# Altium PCB board_layout.pcbdoc (part 3 of 4)
Units mm, origin at the board's own origin, x right, y up, seen from the top; angles counter-clockwise.
Board outline 92.13 x 89.13 mm, 4 copper layers (Top Layer, Signal Layer 1, Signal Layer 2, Bottom Layer), stack 1.561 mm thick; 362 components, 209 nets, 1215 pads, 340 vias.
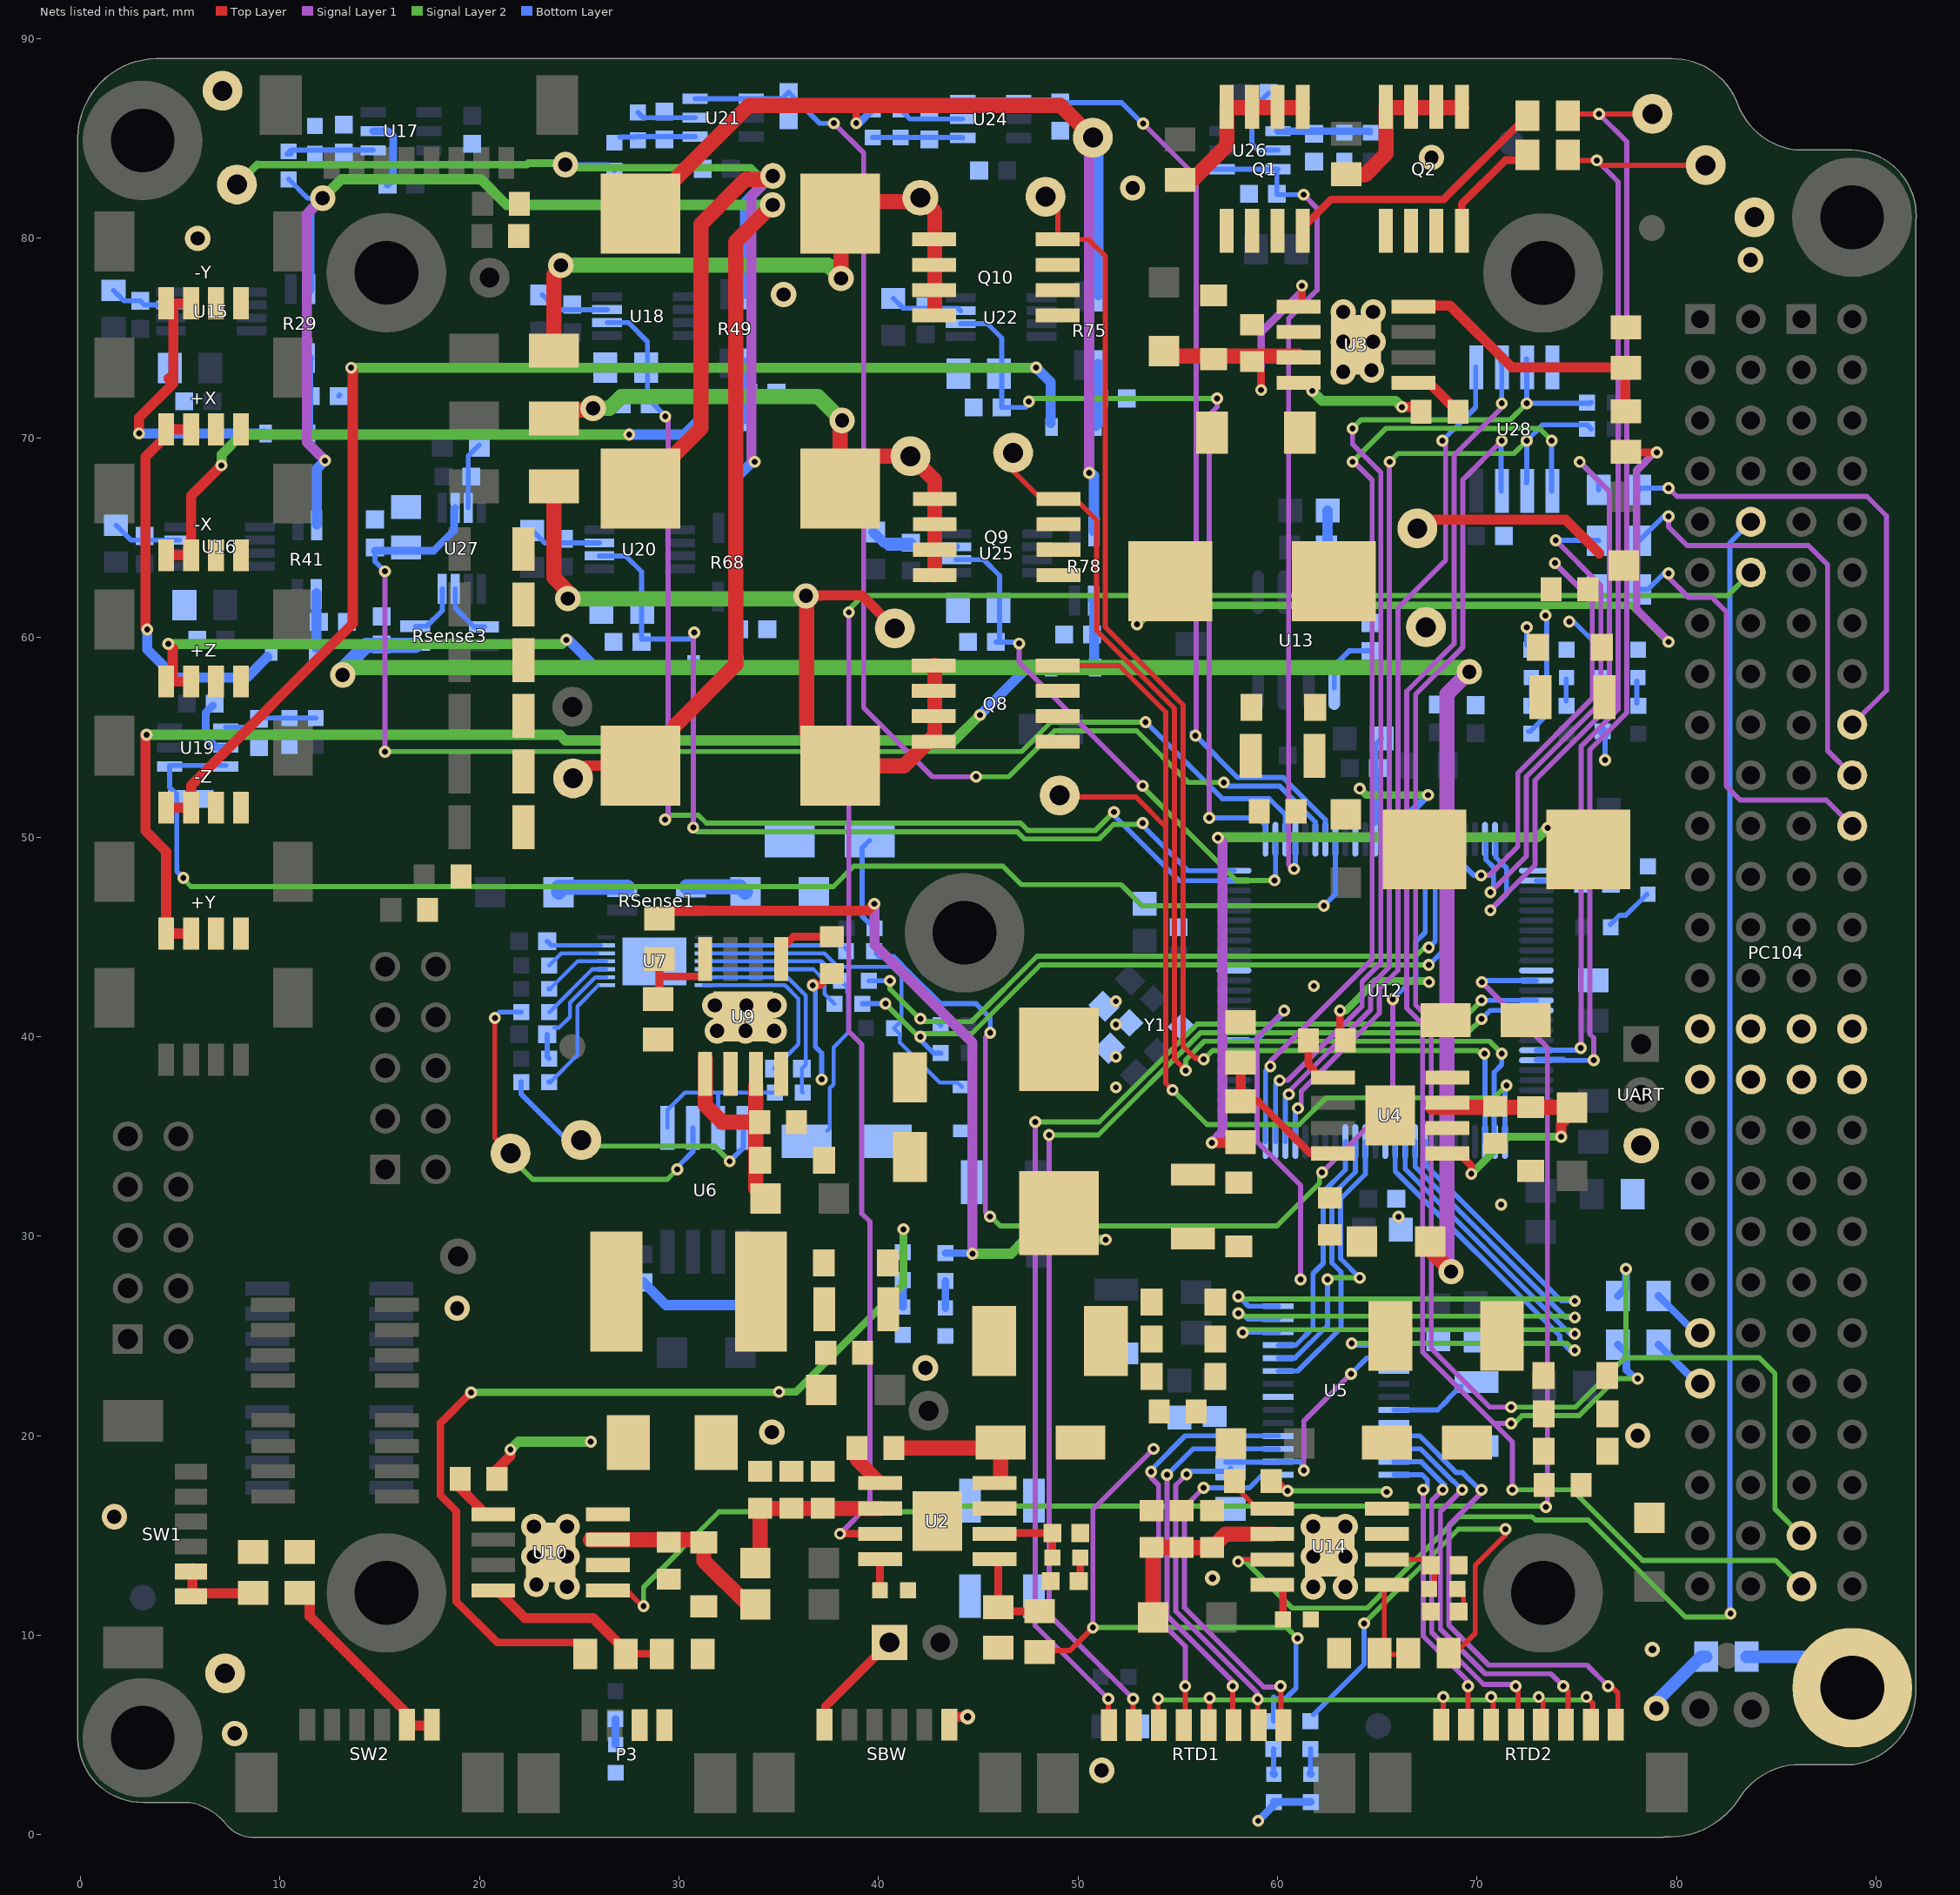
[diagram p5: the nets of this part, all layers, seen from the top]

## Via types
v1: diameter 0.6, hole 0.3, Top Layer to Bottom Layer, tented both sides, 251 vias
v2: diameter 1.27, hole 0.711, Top Layer to Bottom Layer, tented both sides, 53 vias
v3: diameter 1.27, hole 0.711, Top Layer to Bottom Layer, 24 vias
v4: diameter 0.762, hole 0.381, Top Layer to Bottom Layer, tented both sides, 9 vias
v5: diameter 0.6, hole 0.3, Top Layer to Bottom Layer, 2 vias
v6: diameter 1.15, hole 0.6, Top Layer to Bottom Layer, tented both sides, 1 vias

## Nets (pads, with @x,y where several pads share a name; then routed paths per layer and width w, separated by ;. In a path a pad name is that pad's centre, name@x,y a point inside that pad or via, vN(x,y) a via of type N, cw(c..) or ccw(c..) an arc to the next point about the centre after c; other vN are vias at no path point) (continued)
ADC2_V: C91.2 U12.6 U21.3 U21.4 | length 65.4
  Signal Layer 1 w0.254: v1(37.766,85.766) 39.256,84.276 39.256,56.476 42.706,53.026 v1(44.896,53.026)
  Signal Layer 2 w0.254: v1(44.896,53.026) 46.527,53.026 48.825,55.324 52.935,55.324 55.523,52.736 v1(57.306,52.736)
  Bottom Layer w0.254: U21.3@30.816,86.997 U21.4@33.616,86.997 35.167,86.997 C91.2@35.496,87.326 37.056,85.766 v1(37.766,85.766) ; v1(57.306,52.736) 57.482,52.56 60.095,52.56 61.896,50.759 U12.6@61.896,49.891
ADC3_I: C85.1 R67.2 U12.99 U18.2 | length 57.5
  Signal Layer 1 w0.254: v1(29.306,50.876) 29.456,51.026 v1@29.456,70.926
  Signal Layer 2 w0.254: v1(29.306,50.876) 29.528,51.098 30.974,51.098 31.374,50.698 47.125,50.698 47.486,50.337 50.876,50.337 v1(51.796,51.256)
  Bottom Layer w0.254: U18.2@26.405,75.779 27.471,75.779 28.426,74.824 28.426,71.996 29.316,71.106 v1(29.316,71.076) ; v1(51.796,51.256) 51.796,51.096 55.076,47.816 U12.99@57.821,47.816
ADC3_V: C99.2 U12.7 U24.3 U24.4 | length 50.7
  Signal Layer 1 w0.254: v1(53.266,85.756) 55.926,83.096 55.926,55.128 v1(55.886,55.088)
  Bottom Layer w0.254: U24.3@44.227,86.93 U24.4@47.027,86.93 48.982,86.93 C99.2@49.116,86.796 52.186,86.796 v1@53.226,85.756 ; v1@55.732,55.242 v1(55.886,55.088) 57.982,52.992 60.274,52.992 62.396,50.87 U12.7@62.396,49.891
ADC4_I: C89.1 R72.2 U12.100 U20.2 | length 47.4
  Signal Layer 1 w0.254: v1(30.716,50.476) v1@30.716,60.246
  Signal Layer 2 w0.254: v1(30.716,50.476) 30.926,50.266 46.946,50.266 47.307,49.905 51.055,49.905 51.416,50.266 ; 51.417,50.266 51.784,50.634 53.164,50.634 v1(53.236,50.706)
  Bottom Layer w0.254: U20.2@26.015,64.089 27.333,64.089 28.126,63.296 28.126,59.916 30.496,59.916 v1@30.836,60.256 ; v1(30.716,50.476) v1@30.85,50.61 ; v1(53.236,50.706) 53.236,50.586 55.506,48.316 U12.100@57.821,48.316
  other v1: 30.766,60.246
ADC5_I: C94.1 R77.2 U12.1 U22.2 | length 41.7
  Signal Layer 1 w0.254: v1(56.576,50.966) 56.576,71.156 56.97,71.55 v1(56.97,71.976)
  Signal Layer 2 w0.254: v1@47.646,71.716 47.646,71.936 47.686,71.976 v1(56.97,71.976)
  Bottom Layer w0.254: U22.2@44.116,75.726 45.456,75.726 46.176,75.006 C94.1@46.176,71.526 47.376,71.526 v1@47.526,71.676 ; v1(56.576,50.966) 59.036,50.966 59.396,50.606 U12.1@59.396,49.891
  other v1: 47.536,71.826
ADC6_I: C100.1 R79.2 U12.2 U25.2 | length 27.3
  Signal Layer 1 w0.254: v1(47.046,59.696) 47.046,58.76 v1(53.236,52.57)
  Signal Layer 2 w0.254: v1@53.213,52.547 57.93,47.83 v1(59.85,47.83)
  Bottom Layer w0.254: U25.2@43.896,63.896 45.276,63.896 46.066,63.106 C100.1@46.066,59.906 ; C100.1@45.886,59.776 46.966,59.776 v1(47.046,59.696) ; v1(59.85,47.83) 59.896,47.876 U12.2@59.896,49.891
ADC7_I: C129.1 R36.2 U12.3 U27.2 | length 64.7
  Signal Layer 1 w0.254: v1(15.266,54.276) v1(15.266,63.316)
  Signal Layer 2 w0.254: v1@15.266,54.251 15.302,54.287 47.177,54.287 48.646,55.756 v1(53.383,55.756)
  Bottom Layer w0.254: C129.1@14.766,64.345 14.766,63.816 v1(15.266,63.316) ; v1(53.383,55.756) 53.406,55.756 57.236,51.926 59.586,51.926 60.396,51.116 U12.3@60.396,49.891
  Bottom Layer w0.381: C129.1@14.766,64.345 17.706,64.345 18.734,65.373 18.734,66.434 U27.2@18.791,66.491
ADC_BUS: C119.2 U12.4 U26.3 U26.4 | length 41.9
  Signal Layer 1 w0.254: v1(60.83,48.4) 60.76,48.4 60.55,48.61 60.55,75.975 61.975,77.4 61.975,81.517 v1(61.306,82.186)
  Bottom Layer w0.254: U26.4@56.806,83.466 U26.4@57.216,83.466 U26.3@60.016,83.466 59.966,83.416 C119.2@59.966,82.226 60.006,82.186 v1(61.306,82.186) ; U12.4@60.896,49.891 60.896,48.616 v1@60.916,48.596
ADC_TOTAL_V: C87.2 U12.8 U19.3 U19.4 | length 70.8
  Signal Layer 2 w0.254: v1@5.216,47.856 5.548,47.524 37.745,47.524 38.76,48.539 46.23,48.539 47.155,47.614 52.156,47.614 53.212,46.558 59.577,46.558 ; 59.578,46.558 60.093,46.558 ; 60.094,46.558 v1(62.32,46.558)
  Bottom Layer w0.254: v1(5.166,47.956) 4.836,48.286 4.836,52.136 4.485,52.487 4.485,53.592 U19.3@7.285,53.592 ; v1(62.32,46.558) 62.896,47.134 U12.8@62.896,49.891
ADD_I2C1_SCL_BUF: PC104.H1-43 R88.1 | length 2.9
  Bottom Layer w0.381: R88.1@79.092,24.568 81.044,22.616 PC104.H1-43@81.176,22.616
ADD_I2C1_SDA_BUF: PC104.H1-41 R87.1 | length 2.9
  Bottom Layer w0.381: R87.1@79.092,27.008 80.944,25.156 PC104.H1-41@81.176,25.156
ADD_PC104_GPIO0: PC104.H2-18 R89.1 | length 24.2
  Signal Layer 1 w0.254: v1(79.593,67.489) 80.013,67.07 89.53,67.07 90.51,66.09 90.51,57.35 PC104.H2-18@88.796,55.636
  Bottom Layer w0.254: R89.1@78.123,67.4 78.213,67.489 v1(79.593,67.489)
ADD_PC104_GPIO1: PC104.H2-20 R90.1 | length 22.3
  Signal Layer 1 w0.254: v1(79.593,66.07) 79.593,65.537 80.52,64.61 86.6,64.61 87.56,63.65 87.56,54.332 PC104.H2-20@88.796,53.096
  Bottom Layer w0.254: R90.1@78.123,64.85 79.344,66.07 v1(79.593,66.07)
ADD_PC104_GPIO2: PC104.H2-22 R91.1 | length 21.5
  Signal Layer 1 w0.254: v1(79.593,63.21) 79.593,63.007 80.58,62.02 81.75,62.02 82.48,61.29 82.48,52.557 83.177,51.86 87.492,51.86 PC104.H2-22@88.796,50.556
  Bottom Layer w0.254: R91.1@78.123,62.41 78.56,62.41 79.36,63.21 v1(79.593,63.21)
AGND: C34.2 C35.2 C36.2 C51.2 C59.2 C61.2 C62.1 C63.2 C64.2 C66.2 C71.1 C72.1 C73.2 C74.1 C75.2 C76.1 C83.1 C84.1 C85.2 C86.1 C87.1 C88.1 C89.2 C90.1 C91.1 C93.1 C94.2 C97.1 C98.1 C99.1 C100.2 C101.1 C102.2 C103.2 C104.2 C105.2 C106.2 C107.2 C108.1 C109.1 C110.1 C111.1 C112.1 C113.1 C114.1 C115.1 C116.1 C119.1 C120.1 C121.1 C128.1 C129.2 C130.2 FB4.1 pad.4@7.126,87.396 R27.1 R30.1 R36.1 R48.1 R67.1 R71.1 R72.1 R73.1 R76.1 R77.1 R79.1 R82.1 R86.1 U5.6 U5.10 U5.21 U12.10 U12.12 U12.15 U12.83 U13.4 U15.3 U16.3 U17.2 U18.3 U19.2 U20.3 U21.2 U22.3 U24.2 U25.3 U26.2 U27.3 | length 76
  Signal Layer 1 w0.254: v1(60.331,41.31) 58.98,39.959 58.98,34.72 61.15,32.55 v1@61.15,27.92
  Signal Layer 2 w0.381: v1(64.12,52.43) 64.444,52.106 v1(67.543,52.106)
  Bottom Layer w0.254: C105.2@1.666,77.391 2.191,76.866 C111.1@3.006,76.866 3.213,76.659 U15.3@4.545,76.659 ; C106.2@1.796,65.621 2.538,64.879 U16.3@4.957,64.879 ; C72.1@12.946,72.096 C72.1@12.996,72.146 ; U27.3@19.441,66.491 19.441,69.096 C130.2@19.991,69.646 ; C102.2@22.656,65.361 23.278,64.739 U20.3@26.015,64.739 ; C103.2@23.156,77.161 23.888,76.429 U18.3@26.405,76.429 ; R76.1@27.946,86.305 28.203,86.047 U21.2@30.816,86.047 ; C104.2@40.746,76.991 41.241,76.496 43.996,76.496 U22.3@44.116,76.376 ; R82.1@41.102,86.453 41.575,85.98 U24.2@44.227,85.98 ; C93.1@52.446,71.976 C93.1@52.506,71.976 ; U12.83@57.821,39.816 58.94,39.816 60.331,41.207 v1(60.331,41.31) ; C121.1@59.556,87.276 58.716,86.436 58.716,84.736 59.036,84.416 U26.2@60.016,84.416 ; C59.2@64.896,53.336 64.896,54.626 C61.2@65.216,54.946
  Bottom Layer w0.381: C115.1@6.646,56.596 6.283,56.233 6.283,55.03 6.826,54.486 U19.2@7.286,54.486 ; U17.2@14.676,85.366 15.436,85.366 15.679,85.123 15.679,82.979 C114.1@15.396,82.696 ; C107.2@40.27,64.753 40.477,64.546 U25.3@43.896,64.546 ; U12.12@64.896,50.756 C59.2@64.896,53.336 ; U12.15@66.396,50.756 66.396,50.959 v1(67.543,52.106)
  Bottom Layer w0.508: C107.2@39.745,65.278 40.27,64.753 C110.1@41.625,64.753 ; C62.1@62.451,64.506 C62.1@62.506,64.451 ; C64.2@62.506,66.356 C62.1@62.506,64.451 ; U13.4@62.841,62.266 62.841,64.116 C62.1@62.506,64.451
  other v1: 61.15,27.836
BAT_GPIO1: RTD1.1 U12.39 | length 59.4
  Top Layer w0.254: RTD1.1@51.516,5.485 v1(51.516,6.825)
  Signal Layer 1 w0.254: v1(47.86,35.726) 47.86,10.481 v1(51.516,6.825)
  Signal Layer 2 w0.254: v1(47.86,35.726) 51.065,35.726 55.97,40.632 69.042,40.632 70.186,41.776 v1@70.186,41.816
  Signal Layer 2 w0.381: v1@70.186,41.816 v1(70.226,41.816)
  Bottom Layer w0.254: v1(70.226,41.816) U12.39@72.971,41.816
BAT_GPIO2: RTD1.2 U12.40 | length 58.3
  Top Layer w0.254: RTD1.2@52.766,5.485 v1(52.766,6.825)
  Signal Layer 1 w0.254: v1(48.548,35.073) 48.548,11.044 v1(52.766,6.825)
  Signal Layer 2 w0.254: v1(48.548,35.073) 51.022,35.073 56.149,40.2 69.54,40.2 v1(70.226,40.886)
  Bottom Layer w0.254: v1(70.226,40.886) 70.656,41.316 U12.40@72.971,41.316
DGND: 3V3_MCU.2 C32.2 C33.2 C57.2 C58.2 C60.2 C65.2 C67.2 C68.2 C69.2 C70.2 C122.2 C123.2 C124.2 C125.2 C133.2 FB3.1 pad.4@83.9,81.058 PC104.H1-29 PC104.H1-30 PC104.H1-31 PC104.H1-32 PC104.H2-29 PC104.H2-30 PC104.H2-31 PC104.H2-32 SBW.6 SYSTEM_FAULT.2 SYSTEM_ON.2 U5.2 U5.3 U12.26 U12.63 U12.90 U28.4 UART.3 V1.2 V3.2 Y1.2 Y1.4 | length 1.3
  Top Layer w0.508: SBW.6@43.6,5.45 43.6,5.92 v4(44.47,5.92)
  other v1: 66.056,30.976 71.197,31.58 51.9,37.46 51.9,38.998 51.9,40.606 51.9,41.776 61.82,42.54
  other v4: 78.786,9.3 56.74,12.87
En_3V3_OBDH: U12.36
En_5V_Radio_0: PC104.H1-12 U2.3 | length 95.5
  Top Layer w0.381: v1(38.076,15.09) U2.3@40.076,15.09
  Signal Layer 1 w0.254: v1(38.076,15.09) 39.57,16.583 39.57,30.731 39.16,31.141 39.16,39.616 38.518,40.258 v1(38.518,61.264)
  Signal Layer 2 w0.254: v1(38.518,61.264) 38.388,61.264 39.231,62.107 82.567,62.107 PC104.H1-12@83.716,63.256
En_6V_Radio_1: PC104.H1-10 U14.3 | length 86.6
  Top Layer w0.254: v1(58.026,13.696) 58.136,13.806 U14.3@59.736,13.806
  Signal Layer 2 w0.254: v1(58.026,13.696) 58.4,13.696 60.726,11.37 64.499,11.37 69.075,15.946 72.754,15.946 72.92,15.78 75.57,15.78 80.43,10.92 82.52,10.92 v1(82.7,11.1)
  Bottom Layer w0.254: v1@82.661,11.1 82.661,64.741 PC104.H1-10@83.716,65.796
EN_PAYLOAD: U10.5 U12.37 | length 79.9
  Top Layer w0.254: U10.5@26.976,12.256 27.376,12.256 28.166,11.466 v1(28.226,11.466)
  Signal Layer 1 w0.254: v1(70.236,42.736) 73.523,39.449 73.523,16.563 73.45,16.49 v1(73.45,16.44)
  Signal Layer 2 w0.254: v1(28.226,11.466) 28.226,12.416 32.006,16.196 42.429,16.196 42.705,16.472 73.418,16.472 v1(73.45,16.44)
  Bottom Layer w0.254: v1@70.236,42.816 U12.37@72.971,42.816
ESD: MEC4.0 R_ESD.2 | length 5.9
  Bottom Layer w0.635: R_ESD.2@83.506,8.93 87.249,8.93 MEC4.0@88.8,7.379
HEATER1_PWM: R25.2 TP2.1 U12.45 | length 57.9
  Top Layer w0.254: R25.2@74.416,85.896 74.756,86.236 v1(76.106,86.236) TP2.1@78.786,86.236
  Signal Layer 1 w0.254: v1(75.84,38.82) 75.84,39.94 75.65,40.13 75.65,54.377 77.499,56.226 77.499,84.843 v1(76.106,86.236)
  Bottom Layer w0.254: 74.332,38.861 73.016,38.861 U12.45@72.971,38.816 72.976,38.811 75.987,38.811 75.978,38.82 v1(75.84,38.82)
HEATER2_PWM: R26.2 TP1.1 U12.44 | length 55.1
  Top Layer w0.254: R26.2@74.552,84.186 74.832,83.906 v1(75.996,83.906) 76.236,83.666 TP1.1@81.456,83.666
  Signal Layer 1 w0.254: v1(75.189,39.433) 75.218,39.463 75.218,54.556 77.067,56.405 77.067,82.835 76.736,83.166 v1(75.996,83.906)
  Bottom Layer w0.254: U12.44@72.971,39.316 75.072,39.316 v1(75.189,39.433)
I2C0_SCL: R84.2 R92.1 U12.19 | length 38.6
  Signal Layer 2 w0.254: v5(40.35,41.65) 42,40 v1(42.1,40) 42.25,40.15 44.67,40.15 48.12,43.6 v1(67.575,43.6)
  Bottom Layer w0.254: R92.1@39.198,41.65 v5(40.35,41.65) ; v1(42.1,40) 42.1,39.841 42.766,39.175 R84.2@43.121,39.175 ; v1(67.575,43.6) 67.592,43.6 68.396,44.404 U12.19@68.396,49.891
I2C0_SDA: R42.2 R83.2 U12.18 | length 37.4
  Signal Layer 2 w0.254: v5(40.576,42.8) 40.576,42.38 42.206,40.75 44.659,40.75 47.941,44.032 66.932,44.032 67.363,44.463 v1(67.575,44.463)
  Bottom Layer w0.254: R42.2@39.523,42.8 v5(40.576,42.8) ; v1(42.096,40.9) 42.246,40.75 42.943,40.75 R83.2@43.121,40.572 ; v1(67.575,44.463) 67.896,44.784 U12.18@67.896,49.891
I2C1_EN: U12.72 U28.1 | length 42.7
  Signal Layer 1 w0.254: v1(61.02,36.41) 61.182,36.572 61.182,37.261 65.1,41.179 65.1,42.393 66.038,43.331 66.038,61.484 68.42,63.866 68.42,69.7 v1(68.26,69.86)
  Bottom Layer w0.254: U12.72@60.896,34.741 60.896,36.286 v1(61.02,36.41) ; v1(68.26,69.86) 69.927,71.527 U28.1@69.927,73.54
I2C1_READY: U12.75 U28.5 | length 50.2
  Signal Layer 1 w0.254: v1(59.64,38.51) 59.64,38.765 64.742,43.867 64.742,67.888 v1@63.76,68.87
  Signal Layer 2 w0.254: v1(63.76,68.806) 65.436,70.482 68.518,70.482 68.522,70.478 70.974,70.478 70.978,70.482 73.115,70.482 v1(73.737,69.86)
  Bottom Layer w0.254: U12.75@59.396,34.741 59.396,38.266 v1(59.64,38.51) ; U28.5@73.737,67.335 v1(73.737,69.86)
I2C1_SCL: R66.2 U12.74 U28.3 | length 53.6
  Signal Layer 1 w0.254: v1(60.1,37.81) 60.51,37.81 64.236,41.536 64.236,42.751 65.174,43.688 65.174,68.272 63.76,69.686 v1(63.76,70.476) v1@63.69,70.476
  Signal Layer 2 w0.254: v1@63.69,70.476 v1(63.76,70.476) 64.198,70.914 71.668,70.914 v1(72.484,71.73)
  Bottom Layer w0.254: U12.74@59.896,34.741 59.896,37.606 v1(60.1,37.81) ; U28.3@72.467,73.955 72.467,73.54 72.484,73.523 v1(72.484,71.73) 75.677,71.73 R66.2@75.721,71.774
I2C1_SCL_BUF: PC104.H2-51 R88.2 U28.2 | length 87.4
  Signal Layer 1 w0.254: v1(71.236,71.73) 71.236,71.516 68.852,69.132 68.852,59.692 66.469,57.31 66.469,41.431 67.268,40.632 67.268,24.191 70.849,20.61 ; v1(71.702,20.62) 70.859,20.62 70.849,20.61 ; v1(71.77,17.296) 71.77,19.689 70.849,20.61
  Signal Layer 2 w0.254: v1@71.64,20.62 v1(71.702,20.62) 71.866,20.62 72.254,21.008 75.112,21.008 76.974,22.87 v1@77.911,22.87 ; v1(71.77,17.296) 74.754,17.296 78.29,13.76 84.952,13.76 PC104.H2-51@86.256,12.456
  Bottom Layer w0.254: U28.2@71.197,73.955 71.197,73.75 71.236,73.711 U28.2@71.236,73.54 v1(71.236,71.73)
  Bottom Layer w0.381: R88.2@77.06,24.568 77.48,24.148 77.48,23.301 v1@77.911,22.87
  other v1: 78.046,22.87
I2C1_SDA: R65.2 U12.73 U28.6 | length 49.3
  Signal Layer 1 w0.254: v1(60.56,37.11) 60.56,37.249 64.668,41.357 64.668,42.572 65.606,43.51 v1@65.606,68.784
  Signal Layer 2 w0.254: v1(65.622,68.806) 66.036,69.22 71.844,69.22 v1(72.484,69.86)
  Bottom Layer w0.254: U12.73@60.396,34.741 60.396,36.946 v1(60.56,37.11) ; U28.6@72.467,67.75 72.484,67.767 v1(72.484,69.86) 73.284,70.66 75.511,70.66 R65.2@75.721,70.45
I2C1_SDA_BUF: PC104.H2-49 R87.2 U28.7 | length 84.6
  Signal Layer 1 w0.254: v1(71.236,69.86) 69.29,67.914 69.29,59.52 66.921,57.151 66.921,41.59 67.7,40.811 67.7,24.37 70.63,21.44 v1(71.702,21.44)
  Signal Layer 2 w0.254: v1(71.702,21.44) 74.933,21.44 77.403,23.91 ; v1(77.46,28.358) 77.46,23.967 77.403,23.91 ; PC104.H2-49@86.256,14.996 84.92,16.332 84.92,23.13 84.14,23.91 77.403,23.91
  Bottom Layer w0.254: U28.7@71.197,67.335 71.197,69.821 v1(71.236,69.86)
  Bottom Layer w0.381: R87.2@77.06,27.008 77.46,27.408 v1(77.46,28.358)
JTAG_VCC: CN1.1 SBW.1 | length 5.5
  Top Layer w0.45: SBW.1@37.35,5.45 37.35,6.443 CN1.1@40.55,9.643
MPPT_PWM_1: Q8.2 TP6.1 U12.51 | length 52.4
  Top Layer w0.254: Q8.2@48.975,58.594 52.067,58.594 54.4,56.261 54.4,50.51 52.9,52.01 TP6.1@49.16,52.01 ; 54.4,50.44 54.4,37.662 v1(54.736,37.326)
  Signal Layer 2 w0.254: v1(54.736,37.326) 56.462,35.6 61.09,35.6 62.423,36.933 70.853,36.933 v1(71.476,37.556)
  Bottom Layer w0.254: U12.51@71.396,34.741 71.396,37.476 v1(71.476,37.556)
MPPT_PWM_2: Q9.2 TP7.1 U12.52 | length 57.1
  Top Layer w0.254: TP7.1@46.746,69.256 46.746,68.342 48.146,66.942 Q9.2@49.026,66.942 ; Q9.2@49.055,67.095 49.868,66.942 50.93,65.88 50.93,60.341 54.832,56.44 54.832,38.87 v1(55.396,38.306)
  Signal Layer 2 w0.254: v1(55.396,38.306) 55.396,38.836 56.328,39.768 60.072,39.768 60.073,39.767 60.589,39.767 60.59,39.768 70.624,39.768 71.236,39.156 v1(71.236,39.146)
  Bottom Layer w0.254: U12.52@70.896,34.741 70.854,34.783 70.854,38.215 71.236,38.597 v1(71.236,39.146)
MPPT_PWM_3: Q10.2 TP9.1 U12.53 | length 66.7
  Top Layer w0.254: TP9.1@48.376,82.086 48.986,81.476 Q10.2@48.986,79.946 50.526,79.946 51.362,79.11 51.362,60.52 55.264,56.618 55.264,39.518 55.876,38.906 55.916,38.946 56.002,38.86 v1(56.3,38.86)
  Signal Layer 2 w0.254: v1(56.3,38.86) 56.74,39.3 70.012,39.3 v1@70.18,39.132 ; v1@70.366,38.946 v1@70.18,39.132 ; v1(70.366,39.146) 70.353,39.132 v1@70.18,39.132
  Bottom Layer w0.254: v1@70.366,39.186 70.396,39.156 U12.53@70.396,34.741
NC_KILL_SWITCH1: R35.1 SW1.5 SW1.6 | length 4.3
  Top Layer w0.508: SW1.5@5.63,13.36 5.63,12.11 8.642,12.11 R35.1@8.67,12.138
NC_KILL_SWITCH2: R85.1 SW2.5 SW2.6 | length 10.3
  Top Layer w0.508: R85.1@10.99,12.138 11.152,12.138 11.498,11.792 11.498,10.963 16.466,5.995 16.466,5.475 SW2.6@17.716,5.475
Net3V3_ANT_1: 3V3_ANT.1 R23.2 | length 1.3
  Bottom Layer w0.254: R23.2@76.286,56.695 76.286,57.764 3V3_ANT.1@76.449,57.928
Net3V3_EPS_BEACON_1: 3V3_EPS_BEACON.1 R53.1 | length 1.4
  Bottom Layer w0.381: 3V3_EPS_BEACON.1@43.354,26.4 R53.1@43.354,27.753
Net3V3_MCU_1: 3V3_MCU.1 R61.1 | length 1.1
  Bottom Layer w0.254: R61.1@74.463,56.825 3V3_MCU.1@74.463,57.928
Net3V3_OBDH_1: 3V3_OBDH.1 R18.2 | length 1.4
  Bottom Layer w0.254: R18.2@72.716,56.575 3V3_OBDH.1@72.716,57.998
Net3V3ANT_1: 3V3ANT.1 C29.1 C30.1 C31.1 L4.2 R21.2 R22.2 R23.1 | length 44.7
  Top Layer w0.508: v1(56.704,34.68) 57.934,34.68 R22.2@58.13,34.876 ; 3V3ANT.1@67.536,65.736 67.71,65.91 74.428,65.91 76.119,64.219
  Signal Layer 1 w0.508: v1(56.704,34.68) 57.236,35.212 57.236,49.736 v1(57.006,49.966)
  Signal Layer 2 w0.508: v1@56.976,49.986 73.046,49.986 v1(73.526,50.466)
  Bottom Layer w0.254: v1(76.406,53.86) R23.1@76.406,55.178
  Bottom Layer w0.508: R23.1@76.286,55.298 R23.1@76.406,55.178
Net3V3OBDH_1: 3V3OBDH.1 C24.1 C25.1 C131.1 L3.2 R16.2 R17.2 R18.1 | length 49.2
  Top Layer w0.381: L3.2@53.31,64.132 L3.2@54.626,62.816 ; R17.2@76.916,69.326 77.212,69.03 77.459,69.277 v1(79.011,69.277) v1@79.098,69.277
  Signal Layer 1 w0.381: v1@78.9,69.277 77.994,68.372 77.994,61.416 79.49,59.92 v1@79.49,59.69
  Signal Layer 2 w0.381: v1(52.956,60.666) 53.006,60.666 53.951,61.612 73.436,61.612 ; v1(73.426,61.106) 73.426,61.602 73.436,61.612 ; v1(79.593,59.78) 77.762,61.612 73.436,61.612
  Bottom Layer w0.254: R18.1@72.566,55.286 72.659,55.286 73.497,56.125 v1@73.497,60.925
Net5V_PAYLOADS_LED_1: 5V_PAYLOADS_LED.1 R58.2 | length 1.4
  Bottom Layer w0.381: 5V_PAYLOADS_LED.1@41.226,26.452 R58.2@41.226,27.805
Net5V_RADIO_0_LED_1: 5V_RADIO_0_LED.1 R8.2 | length 1.3
  Bottom Layer w0.254: 5V_RADIO_0_LED.1@59.796,3.071 R8.2@59.796,4.309 R8.2@59.818,4.287
  Bottom Layer w0.381: 5V_RADIO_0_LED.1@59.796,3.071 5V_RADIO_0_LED.1@59.818,3.049
Net6V_RADIO_1_LED_1: 6V_RADIO_1_LED.1 R1.2 | length 1.3
  Bottom Layer w0.254: 6V_RADIO_1_LED.1@61.648,3.071 R1.2@61.648,4.309
  Bottom Layer w0.381: 6V_RADIO_1_LED.1@61.648,3.071 6V_RADIO_1_LED.1@61.671,3.049
Net+L1_1: +L1.1 L7.1 R29.2 R41.2 R69.2 | length 82
  Top Layer w0.508: +L1.1@24.696,52.946 25.326,53.576 L7.1@28.076,53.576 29.816,55.316 29.816,55.596
  Top Layer w0.762: 29.816,55.596 32.856,58.636 32.856,79.836 v2(34.696,81.676)
  Signal Layer 1 w0.508: v2(12.146,82.016) 11.35,81.22 11.35,69.782 v1(12.266,68.866)
  Signal Layer 2 w0.508: v2(12.146,82.016) 13.095,82.965 20.075,82.965 21.364,81.676 v2(34.696,81.676)